# Allegro board Learn.brd (continued)
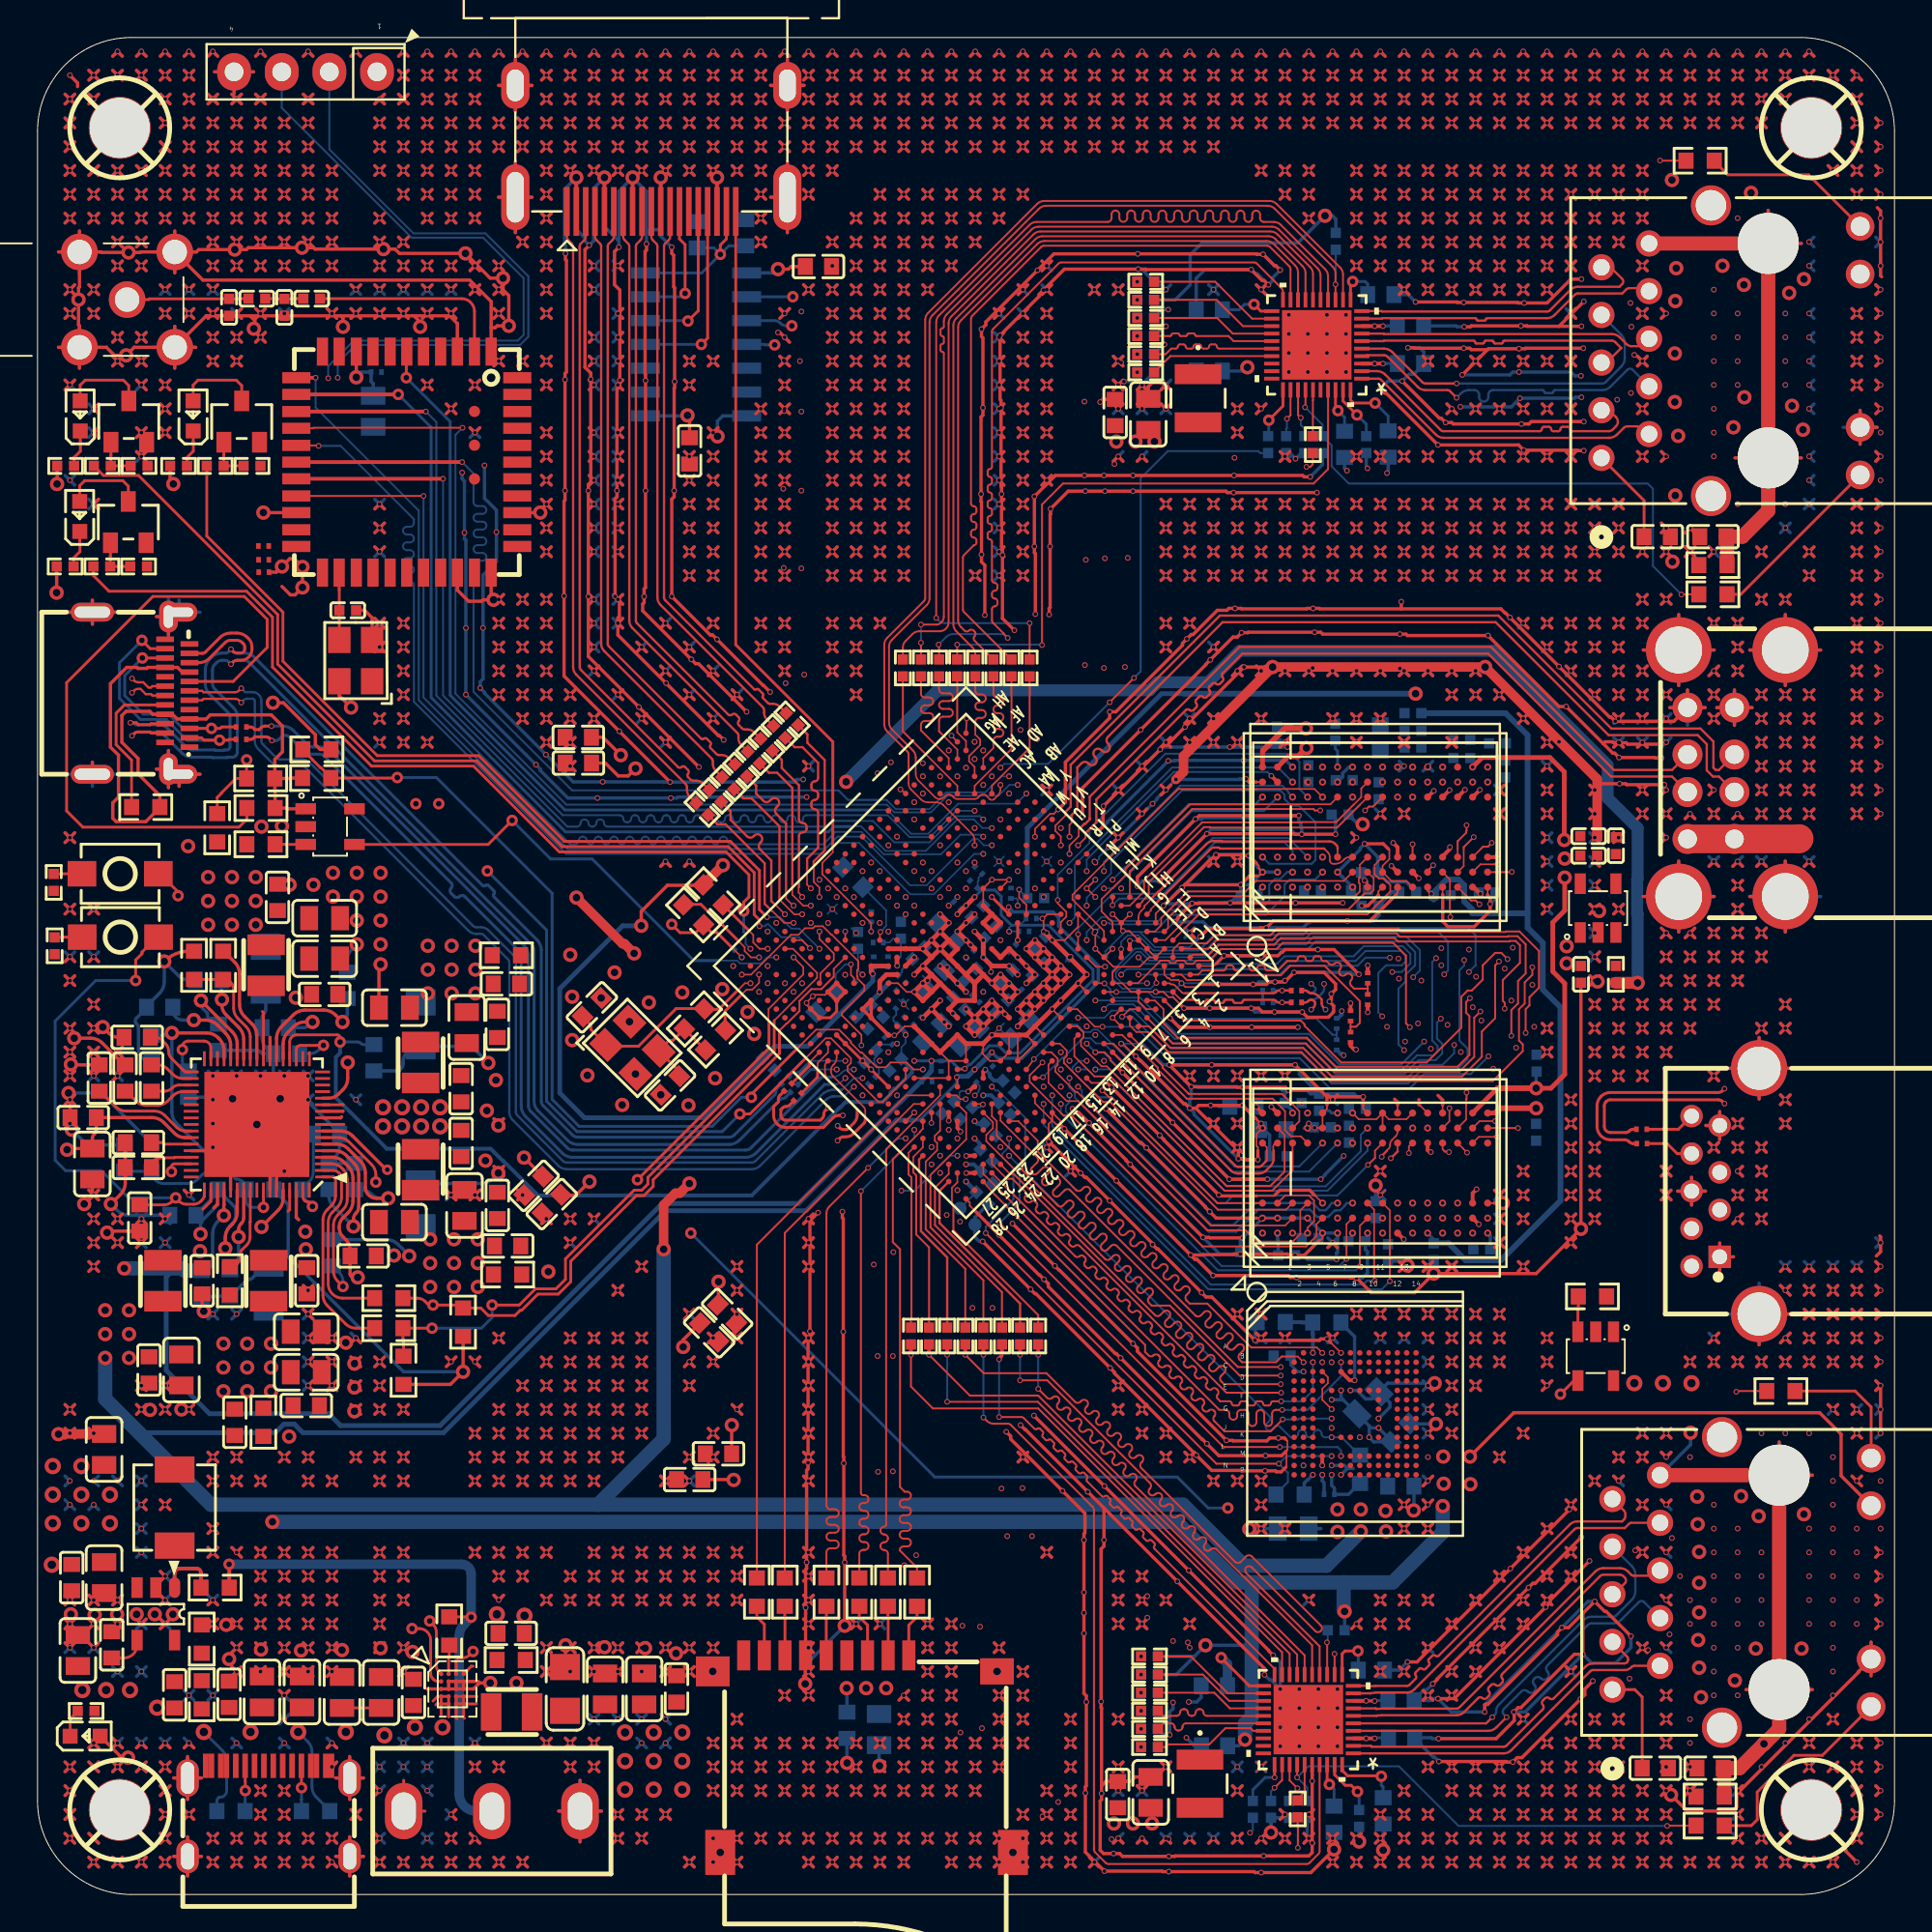
[diagram p0: board, top side]
## Routing (per net, layer and track width the routed paths; a pad name or vN(x,y) marks a point on that pad's centre or on a via; arc(x,y) is an arc through that point) (continued)
; v1(62.68,94.43) 62.43,94.69 ; v1(18.23,6.8) 18.49,6.55 ; v1(18.23,6.8) 18.49,7.06 ; v1(18.23,6.8) 17.98,7.06 ; v1(18.23,6.8) 17.98,6.55 ; 35.76,78.18 v1(36.01,77.92) ; v1(36.01,77.92) 36.27,78.18 ; v1(36.01,77.92) 36.27,77.67 ; v1(36.01,77.92) 35.76,77.67 ; v1(27.12,76.65) 27.38,76.91 ; v1(27.12,76.65) 26.87,76.4 ; v1(27.12,76.65) 27.38,76.4 ; v1(27.12,76.65) 26.87,76.91 ; v1(51.25,11.88) 51.51,12.14 ; v1(51.25,11.88) 51,11.63 ; v1(51.25,11.88) 51.51,11.63 ; v1(51.25,11.88) 51,12.14 ; v1(90.62,39.82) 90.88,39.57 ; v1(90.62,39.82) 90.37,40.08 ; v1(90.62,39.82) 90.37,39.57 ; v1(90.62,39.82) 90.88,40.08 ; 29.41,97.23 v1(29.66,96.97) ; v1(29.66,96.97) 29.92,97.23 ; v1(29.66,96.97) 29.92,96.72 ; v1(29.66,96.97) 29.41,96.72 ; 96.72,96.72 v1(96.97,96.97) ; v1(96.97,96.97) 96.72,97.23 ; v1(96.97,96.97) 97.23,96.72 ; v1(96.97,96.97) 97.23,97.23 ; 71.32,12.9 v1(71.57,13.15) ; v1(71.57,13.15) 71.83,13.41 ; v1(71.57,13.15) 71.83,12.9 ; v1(71.57,13.15) 71.32,13.41 ; 30.68,12.9 v1(30.93,13.15) ; v1(30.93,13.15) 31.19,13.41 ; v1(30.93,13.15) 31.19,12.9 ; v1(30.93,13.15) 30.68,13.41 ; 30.68,87.07 v1(30.93,86.81) ; v1(30.93,86.81) 31.19,87.07 ; v1(30.93,86.81) 30.68,86.56 ; v1(30.93,86.81) 31.19,86.56 ; v1(69.03,70.3) 69.29,70.05 ; v1(69.03,70.3) 69.29,70.56 ; v1(69.03,70.3) 68.78,70.05 ; v1(69.03,70.3) 68.78,70.56 ; v1(9.34,42.36) 9.6,42.11 ; v1(9.34,42.36) 9.09,42.11 ; v1(9.34,42.36) 9.09,42.62 ; v1(9.34,42.36) 9.6,42.62 ; v1(98.24,60.14) 98.5,59.89 ; v1(98.24,60.14) 97.99,60.4 ; v1(98.24,60.14) 97.99,59.89 ; v1(98.24,60.14) 98.5,60.4 ; 6.55,26.87 v1(6.8,27.12) ; v1(6.8,27.12) 7.06,27.38 ; v1(6.8,27.12) 6.55,27.38 ; v1(6.8,27.12) 7.06,26.87 ; 78.94,9.09 v1(79.19,9.34) ; v1(79.19,9.34) 78.94,9.6 ; v1(79.19,9.34) 79.45,9.09 ; v1(79.19,9.34) 79.45,9.6 ; 14.17,89.1 v1(14.42,89.35) ; v1(14.42,89.35) 14.68,89.1 ; v1(14.42,89.35) 14.17,89.61 ; v1(14.42,89.35) 14.68,89.61 ; v1(74.11,24.58) 74.37,24.33 ; v1(74.11,24.58) 73.86,24.33 ; v1(74.11,24.58) 73.86,24.84 ; v1(74.11,24.58) 74.37,24.84 ; 87.83,47.19 v1(88.08,47.44) ; v1(88.08,47.44) 87.83,47.7 ; v1(88.08,47.44) 88.34,47.19 ; v1(88.08,47.44) 88.34,47.7 ; 91.64,61.67 v1(91.89,61.41) ; v1(91.89,61.41) 92.15,61.67 ; v1(91.89,61.41) 91.64,61.16 ; v1(91.89,61.41) 92.15,61.16 ; v1(15.69,91.89) 15.95,91.64 ; v1(15.69,91.89) 15.44,91.64 ; v1(15.69,91.89) 15.44,92.15 ; v1(15.69,91.89) 15.95,92.15 ; v1(55.06,38.55) 55.32,38.3 ; v1(55.06,38.55) 54.81,38.81 ; v1(55.06,38.55) 54.81,38.3 ; v1(55.06,38.55) 55.32,38.81 ; v1(32.2,13.15) 32.46,13.41 ; v1(32.2,13.15) 32.46,12.9 ; v1(32.2,13.15) 31.95,12.9 ; v1(32.2,13.15) 31.95,13.41 ; v1(74.11,72.84) 74.37,72.59 ; v1(74.11,72.84) 73.86,72.59 ; v1(74.11,72.84) 73.86,73.1 ; v1(74.11,72.84) 74.37,73.1 ; v1(53.79,94.43) 54.05,94.69 ; v1(53.79,94.43) 53.54,94.69 ; v1(53.79,94.43) 53.54,94.18 ; v1(53.79,94.43) 54.05,94.18 ; v1(51.25,75.38) 51.51,75.13 ; v1(51.25,75.38) 51.51,75.64 ; v1(51.25,75.38) 51,75.64 ; v1(51.25,75.38) 51,75.13 ; v1(79.19,1.72) 79.45,1.47 ; v1(79.19,1.72) 78.94,1.98 ; v1(79.19,1.72) 78.94,1.47 ; v1(79.19,1.72) 79.45,1.98 ; v1(96.97,69.03) 97.23,69.29 ; v1(96.97,69.03) 97.23,68.78 ; v1(96.97,69.03) 96.72,69.29 ; v1(96.97,69.03) 96.72,68.78 ; 30.68,17.98 v1(30.93,18.23) ; v1(30.93,18.23) 30.68,18.49 ; v1(30.93,18.23) 31.19,17.98 ; v1(30.93,18.23) 31.19,18.49 ; 80.21,55.32 v1(80.46,55.06) ; v1(80.46,55.06) 80.21,54.81 ; v1(80.46,55.06) 80.72,55.32 ; v1(80.46,55.06) 80.72,54.81 ; 20.52,93.42 v1(20.77,93.16) ; v1(20.77,93.16) 21.03,92.91 ; v1(20.77,93.16) 21.03,93.42 ; v1(20.77,93.16) 20.52,92.91 ; v1(5.53,14.42) 5.79,14.68 ; v1(5.53,14.42) 5.79,14.17 ; v1(5.53,14.42) 5.28,14.17 ; v1(5.53,14.42) 5.28,14.68 ; v1(70.3,74.11) 70.56,74.37 ; v1(70.3,74.11) 70.05,73.86 ; v1(70.3,74.11) 70.05,74.37 ; v1(70.3,74.11) 70.56,73.86 ; 5.28,27.38 v1(5.53,27.12) ; v1(5.53,27.12) 5.79,26.87 ; v1(5.53,27.12) 5.28,26.87 ; v1(5.53,27.12) 5.79,27.38 ; v1(91.89,69.03) 92.15,68.78 ; v1(91.89,69.03) 91.64,69.29 ; v1(91.89,69.03) 91.64,68.78 ; v1(91.89,69.03) 92.15,69.29 ; v1(71.57,88.08) 71.83,87.83 ; v1(71.57,88.08) 71.32,87.83 ; v1(71.57,88.08) 71.83,88.34 ; v1(71.57,88.08) 71.32,88.34 ; 49.73,92.91 v1(49.98,93.16) ; v1(49.98,93.16) 50.24,93.42 ; v1(49.98,93.16) 50.24,92.91 ; v1(49.98,93.16) 49.73,93.42 ; 42.11,76.4 v1(42.36,76.65) ; v1(42.36,76.65) 42.62,76.4 ; v1(42.36,76.65) 42.11,76.91 ; v1(42.36,76.65) 42.62,76.91 ; 78.94,88.34 v1(79.19,88.08) ; v1(79.19,88.08) 78.94,87.83 ; v1(79.19,88.08) 79.45,87.83 ; v1(79.19,88.08) 79.45,88.34 ; 29.41,71.83 v1(29.66,71.57) ; v1(29.66,71.57) 29.41,71.32 ; v1(29.66,71.57) 29.92,71.32 ; v1(29.66,71.57) 29.92,71.83 ; v1(91.89,55.06) 92.15,54.81 ; v1(91.89,55.06) 91.64,54.81 ; v1(91.89,55.06) 91.64,55.32 ; v1(91.89,55.06) 92.15,55.32 ; v1(69.03,96.97) 69.29,97.23 ; v1(69.03,96.97) 68.78,97.23 ; v1(69.03,96.97) 68.78,96.72 ; v1(69.03,96.97) 69.29,96.72 ; J1.21 26.36,90.47 ; J1.21 24.58,90.47 ; J1.21 25.47,92.36 ; J1.21 25.47,88.58 ; v1(51.25,77.92) 51.51,77.67 ; v1(51.25,77.92) 51.51,78.18 ; v1(51.25,77.92) 51,77.67 ; v1(51.25,77.92) 51,78.18 ; U19.8 91.39,63.27 ; U19.8 90.45,62.33 ; U19.8 90.45,64.21 ; U19.8 89.51,63.27 ; 76.4,97.23 v1(76.65,96.97) ; v1(76.65,96.97) 76.91,97.23 ; v1(76.65,96.97) 76.91,96.72 ; v1(76.65,96.97) 76.4,96.72 ; 47.19,90.88 v1(47.44,90.62) ; v1(47.44,90.62) 47.19,90.37 ; v1(47.44,90.62) 47.7,90.37 ; v1(47.44,90.62) 47.7,90.88 ; v1(23.31,95.7) 23.57,95.96 ; v1(23.31,95.7) 23.06,95.45 ; v1(23.31,95.7) 23.57,95.45 ; v1(23.31,95.7) 23.06,95.96 ; v1(34.74,81.73) 35,81.99 ; v1(34.74,81.73) 34.49,81.48 ; v1(34.74,81.73) 34.49,81.99 ; v1(34.74,81.73) 35,81.48 ; 51,80.72 v1(51.25,80.46) ; v1(51.25,80.46) 51,80.21 ; v1(51.25,80.46) 51.51,80.21 ; v1(51.25,80.46) 51.51,80.72 ; v1(20.77,95.7) 21.03,95.96 ; v1(20.77,95.7) 20.52,95.96 ; v1(20.77,95.7) 20.52,95.45 ; v1(20.77,95.7) 21.03,95.45 ; v1(96.97,72.84) 97.23,73.1 ; v1(96.97,72.84) 97.23,72.59 ; v1(96.97,72.84) 96.72,72.59 ; v1(96.97,72.84) 96.72,73.1 ; 57.35,14.68 v1(57.6,14.42) ; v1(57.6,14.42) 57.86,14.68 ; v1(57.6,14.42) 57.35,14.17 ; v1(57.6,14.42) 57.86,14.17 ; 94.18,64.21 v1(94.43,63.95) ; v1(94.43,63.95) 94.69,64.21 ; v1(94.43,63.95) 94.18,63.7 ; v1(94.43,63.95) 94.69,63.7 ; 85.29,18.49 v1(85.54,18.23) ; v1(85.54,18.23) 85.8,18.49 ; v1(85.54,18.23) 85.29,17.98 ; v1(85.54,18.23) 85.8,17.98 ; v1(27.12,66.49) 27.38,66.24 ; v1(27.12,66.49) 26.87,66.24 ; v1(27.12,66.49) 27.38,66.75 ; v1(27.12,66.49) 26.87,66.75 ; v1(4.26,14.42) 4.52,14.17 ; v1(4.26,14.42) 4.01,14.17 ; v1(4.26,14.42) 4.01,14.68 ; v1(4.26,14.42) 4.52,14.68 ; 23.06,18.49 v1(23.31,18.23) ; v1(23.31,18.23) 23.57,18.49 ; v1(23.31,18.23) 23.06,17.98 ; v1(23.31,18.23) 23.57,17.98 ; v1(71.57,15.69) 71.83,15.95 ; v1(71.57,15.69) 71.32,15.44 ; v1(71.57,15.69) 71.32,15.95 ; v1(71.57,15.69) 71.83,15.44 ; v1(72.84,19.5) 73.1,19.25 ; v1(72.84,19.5) 72.59,19.76 ; v1(72.84,19.5) 73.1,19.76 ; v1(72.84,19.5) 72.59,19.25 ; 6.98,67.13 U17.C2 ; U17.C2 6.34,68.12 ; U17.C2 6.98,69.11 ; 19.25,64.21 v1(19.5,63.95) ; v1(19.5,63.95) 19.76,63.7 ; v1(19.5,63.95) 19.25,63.7 ; v1(19.5,63.95) 19.76,64.21 ; v1(9.34,93.16) 9.6,93.42 ; v1(9.34,93.16) 9.09,92.91 ; v1(9.34,93.16) 9.09,93.42 ; v1(9.34,93.16) 9.6,92.91 ; 58.62,95.96 v1(58.87,95.7) ; v1(58.87,95.7) 59.13,95.96 ; v1(58.87,95.7) 58.62,95.45 ; v1(58.87,95.7) 59.13,95.45 ; v1(94.43,30.93) 94.69,31.19 ; v1(94.43,30.93) 94.18,30.68 ; v1(94.43,30.93) 94.18,31.19 ; v1(94.43,30.93) 94.69,30.68 ; v1(81.73,38.55) 81.99,38.81 ; v1(81.73,38.55) 81.99,38.3 ; v1(81.73,38.55) 81.48,38.81 ; v1(81.73,38.55) 81.48,38.3 ; 66.24,92.15 v1(66.49,91.89) ; v1(66.49,91.89) 66.24,91.64 ; v1(66.49,91.89) 66.75,92.15 ; v1(66.49,91.89) 66.75,91.64 ; 4.01,90.88 v1(4.26,90.62) ; v1(4.26,90.62) 4.52,90.88 ; v1(4.26,90.62) 4.01,90.37 ; v1(4.26,90.62) 4.52,90.37 ; v1(27.12,28.39) 27.38,28.65 ; v1(27.12,28.39) 26.87,28.65 ; v1(27.12,28.39) 26.87,28.14 ; v1(27.12,28.39) 27.38,28.14 ; v1(76.65,72.84) 76.91,72.59 ; v1(76.65,72.84) 76.91,73.1 ; v1(76.65,72.84) 76.4,73.1 ; v1(76.65,72.84) 76.4,72.59 ; 7.82,95.96 v1(8.07,95.7) ; v1(8.07,95.7) 8.33,95.45 ; v1(8.07,95.7) 7.82,95.45 ; v1(8.07,95.7) 8.33,95.96 ; v1(9.34,83) 9.6,83.26 ; v1(9.34,83) 9.09,83.26 ; v1(9.34,83) 9.6,82.75 ; v1(9.34,83) 9.09,82.75 ; 92.91,95.96 v1(93.16,95.7) ; v1(93.16,95.7) 92.91,95.45 ; v1(93.16,95.7) 93.42,95.96 ; 17.98,17.98 v1(18.23,18.23) ; v1(18.23,18.23) 18.49,17.98 ; v1(18.23,18.23) 18.49,18.49 ; v1(18.23,18.23) 17.98,18.49 ; v1(66.49,95.7) 66.75,95.96 ; v1(66.49,95.7) 66.75,95.45 ; v1(66.49,95.7) 66.24,95.96 ; v1(66.49,95.7) 66.24,95.45 ; v1(75.38,90.62) 75.64,90.88 ; v1(75.38,90.62) 75.64,90.37 ; v1(75.38,90.62) 75.13,90.88 ; v1(75.38,90.62) 75.13,90.37 ; 96.72,31.95 v1(96.97,32.2) ; v1(96.97,32.2) 96.72,32.46 ; v1(96.97,32.2) 97.23,32.46 ; v1(96.97,32.2) 97.23,31.95 ; v1(32.2,95.7) 32.46,95.45 ; v1(32.2,95.7) 31.95,95.96 ; v1(32.2,95.7) 32.46,95.96 ; v1(32.2,95.7) 31.95,95.45 ; 76.4,7.06 v1(76.65,6.8) ; v1(76.65,6.8) 76.91,7.06 ; v1(76.65,6.8) 76.91,6.55 ; v1(76.65,6.8) 76.4,6.55 ; v1(77.92,98.24) 78.18,97.99 ; v1(77.92,98.24) 77.67,98.5 ; v1(77.92,98.24) 77.67,97.99 ; v1(77.92,98.24) 78.18,98.5 ; 33.22,13.41 v1(33.47,13.15) ; v1(33.47,13.15) 33.22,12.9 ; v1(33.47,13.15) 33.73,13.41 ; v1(33.47,13.15) 33.73,12.9 ; 81.48,71.32 v1(81.73,71.57) ; v1(81.73,71.57) 81.99,71.32 ; v1(81.73,71.57) 81.99,71.83 ; v1(81.73,71.57) 81.48,71.83 ; 97.99,34.49 v1(98.24,34.74) ; v1(98.24,34.74) 97.99,35 ; v1(98.24,34.74) 98.5,34.49 ; v1(98.24,34.74) 98.5,35 ; v1(91.89,57.6) 92.15,57.35 ; v1(91.89,57.6) 92.15,57.86 ; v1(91.89,57.6) 91.64,57.86 ; v1(91.89,57.6) 91.64,57.35 ; 1.47,52.27 v1(1.72,52.52) ; v1(1.72,52.52) 1.47,52.78 ; v1(1.72,52.52) 1.98,52.27 ; v1(1.72,52.52) 1.98,52.78 ; 35.76,29.92 v1(36.01,29.66) ; v1(36.01,29.66) 35.76,29.41 ; v1(36.01,29.66) 36.27,29.41 ; v1(36.01,29.66) 36.27,29.92 ; v1(20.77,91.89) 21.03,91.64 ; v1(20.77,91.89) 20.52,91.64 ; v1(20.77,91.89) 20.52,92.15 ; v1(20.77,91.89) 21.03,92.15 ; v1(84.27,94.43) 84.53,94.69 ; v1(84.27,94.43) 84.53,94.18 ; v1(84.27,94.43) 84.02,94.18 ; v1(84.27,94.43) 84.02,94.69 ; v1(63.95,55.06) 64.21,54.81 ; v1(63.95,55.06) 63.7,55.32 ; v1(63.95,55.06) 64.21,55.32 ; v1(63.95,55.06) 63.7,54.81 ; 61.16,93.42 v1(61.41,93.16) ; v1(61.41,93.16) 61.67,93.42 ; v1(61.41,93.16) 61.67,92.91 ; v1(61.41,93.16) 61.16,92.91 ; 6.55,8.33 v1(6.8,8.07) ; v1(6.8,8.07) 7.06,7.82 ; v1(6.8,8.07) 6.55,7.82 ; v1(6.8,8.07) 7.06,8.33 ; 10.36,90.88 v1(10.61,90.62) ; v1(10.61,90.62) 10.36,90.37 ; v1(10.61,90.62) 10.87,90.88 ; v1(10.61,90.62) 10.87,90.37 ; v1(52.52,90.62) 52.78,90.37 ; v1(52.52,90.62) 52.27,90.37 ; v1(52.52,90.62) 52.78,90.88 ; v1(52.52,90.62) 52.27,90.88 ; v1(4.26,96.97) 4.52,97.23 ; v1(4.26,96.97) 4.01,96.72 ; v1(4.26,96.97) 4.01,97.23 ; v1(4.26,96.97) 4.52,96.72 ; v1(94.43,71.57) 94.69,71.32 ; v1(94.43,71.57) 94.69,71.83 ; v1(94.43,71.57) 94.18,71.83 ; v1(94.43,71.57) 94.18,71.32 ; v1(83,72.84) 83.26,73.1 ; v1(83,72.84) 83.26,72.59 ; v1(83,72.84) 82.75,73.1 ; v1(83,72.84) 82.75,72.59 ; 78.94,81.48 v1(79.19,81.73) ; v1(79.19,81.73) 78.94,81.99 ; v1(79.19,81.73) 79.45,81.48 ; v1(79.19,81.73) 79.45,81.99 ; v1(10.61,94.43) 10.87,94.69 ; v1(10.61,94.43) 10.87,94.18 ; v1(10.61,94.43) 10.36,94.69 ; v1(10.61,94.43) 10.36,94.18 ; 62.43,96.72 v1(62.68,96.97) ; v1(62.68,96.97) 62.94,96.72 ; v1(62.68,96.97) 62.94,97.23 ; v1(62.68,96.97) 62.43,97.23 ; v1(67.76,70.3) 68.02,70.05 ; v1(67.76,70.3) 68.02,70.56 ; v1(67.76,70.3) 67.51,70.05 ; v1(67.76,70.3) 67.51,70.56 ; 97.99,90.37 v1(98.24,90.62) ; v1(98.24,90.62) 98.5,90.88 ; v1(98.24,90.62) 98.5,90.37 ; v1(98.24,90.62) 97.99,90.88 ; 4.01,1.47 v1(4.26,1.72) ; v1(4.26,1.72) 4.01,1.98 ; v1(4.26,1.72) 4.52,1.47 ; v1(4.26,1.72) 4.52,1.98 ; v1(34.74,27.12) 35,26.87 ; v1(34.74,27.12) 35,27.38 ; v1(34.74,27.12) 34.49,27.38 ; v1(34.74,27.12) 34.49,26.87 ; 59.89,24.33 v1(60.14,24.58) ; v1(60.14,24.58) 60.4,24.84 ; v1(60.14,24.58) 60.4,24.33 ; v1(60.14,24.58) 59.89,24.84 ; v1(43.63,86.81) 43.89,87.07 ; v1(43.63,86.81) 43.38,86.56 ; v1(43.63,86.81) 43.38,87.07 ; v1(43.63,86.81) 43.89,86.56 ; 89.1,55.32 v1(89.35,55.06) ; v1(89.35,55.06) 89.61,55.32 ; v1(89.35,55.06) 89.1,54.81 ; v1(89.35,55.06) 89.61,54.81 ; v1(90.62,2.99) 90.88,2.74 ; v1(90.62,2.99) 90.37,2.74 ; v1(90.62,2.99) 90.88,3.25 ; v1(90.62,2.99) 90.37,3.25 ; v1(34.74,75.38) 35,75.13 ; v1(34.74,75.38) 35,75.64 ; v1(34.74,75.38) 34.49,75.64 ; v1(34.74,75.38) 34.49,75.13 ; v1(98.24,8.07) 98.5,8.33 ; v1(98.24,8.07) 97.99,8.33 ; v1(98.24,8.07) 97.99,7.82 ; v1(98.24,8.07) 98.5,7.82 ; 84.02,6.55 v1(84.27,6.8) ; v1(84.27,6.8) 84.53,6.55 ; v1(84.27,6.8) 84.02,7.06 ; v1(84.27,6.8) 84.53,7.06 ; 84.02,90.37 v1(84.27,90.62) ; v1(84.27,90.62) 84.02,90.88 ; v1(84.27,90.62) 84.53,90.37 ; v1(84.27,90.62) 84.53,90.88 ; v1(75.38,5.53) 75.64,5.28 ; v1(75.38,5.53) 75.13,5.79 ; v1(75.38,5.53) 75.64,5.79 ; v1(75.38,5.53) 75.13,5.28 ; v1(96.97,83) 97.23,83.26 ; v1(96.97,83) 97.23,82.75 ; v1(96.97,83) 96.72,82.75 ; v1(96.97,83) 96.72,83.26 ; v1(1.72,85.54) 1.98,85.8 ; v1(1.72,85.54) 1.98,85.29 ; v1(1.72,85.54) 1.47,85.29 ; v1(1.72,85.54) 1.47,85.8 ; 67.51,94.69 v1(67.76,94.43) ; v1(67.76,94.43) 68.02,94.18 ; v1(67.76,94.43) 67.51,94.18 ; v1(67.76,94.43) 68.02,94.69 ; v1(96.97,60.14) 97.23,60.4 ; v1(96.97,60.14) 96.72,59.89 ; v1(96.97,60.14) 97.23,59.89 ; v1(96.97,60.14) 96.72,60.4 ; v1(37.28,98.24) 37.54,98.5 ; v1(37.28,98.24) 37.03,97.99 ; v1(37.28,98.24) 37.03,98.5 ; v1(37.28,98.24) 37.54,97.99 ; v1(89.35,96.97) 89.61,96.72 ; v1(89.35,96.97) 89.1,96.72 ; v1(89.35,96.97) 89.61,97.23 ; v1(89.35,96.97) 89.1,97.23 ; 86.56,68.78 v1(86.81,69.03) ; v1(86.81,69.03) 87.07,68.78 ; v1(86.81,69.03) 86.56,69.29 ; v1(86.81,69.03) 87.07,69.29 ; 38.3,75.13 v1(38.55,75.38) ; v1(38.55,75.38) 38.81,75.13 ; v1(38.55,75.38) 38.81,75.64 ; v1(38.55,75.38) 38.3,75.64 ; 29.41,7.06 v1(29.66,6.8) ; v1(29.66,6.8) 29.92,6.55 ; v1(29.66,6.8) 29.41,6.55 ; v1(29.66,6.8) 29.92,7.06 ; v1(66.49,2.99) 66.75,2.74 ; v1(66.49,2.99) 66.24,2.74 ; v1(66.49,2.99) 66.24,3.25 ; v1(66.49,2.99) 66.75,3.25 ; v1(19.5,13.15) 19.76,12.9 ; v1(19.5,13.15) 19.76,13.41 ; v1(19.5,13.15) 19.25,12.9 ; v1(19.5,13.15) 19.25,13.41 ; 81.48,95.96 v1(81.73,95.7) ; v1(81.73,95.7) 81.99,95.96 ; v1(81.73,95.7) 81.48,95.45 ; v1(81.73,95.7) 81.99,95.45 ; v1(89.35,57.6) 89.61,57.86 ; v1(89.35,57.6) 89.61,57.35 ; v1(89.35,57.6) 89.1,57.86 ; v1(89.35,57.6) 89.1,57.35 ; 44.65,6.55 v1(44.9,6.8) ; v1(44.9,6.8) 45.16,6.55 ; v1(44.9,6.8) 44.65,7.06 ; v1(44.9,6.8) 45.16,7.06 ; 28.14,16.71 v1(28.39,16.96) ; v1(28.39,16.96) 28.14,17.22 ; v1(28.39,16.96) 28.65,16.71 ; v1(28.39,16.96) 28.65,17.22 ; v1(62.68,66.49) 62.94,66.24 ; v1(62.68,66.49) 62.43,66.24 ; v1(62.68,66.49) 62.43,66.75 ; v1(62.68,66.49) 62.94,66.75 ; 12.9,94.69 v1(13.15,94.43) ; v1(13.15,94.43) 13.41,94.18 ; v1(13.15,94.43) 12.9,94.18 ; v1(13.15,94.43) 13.41,94.69 ; 97.99,76.4 v1(98.24,76.65) ; v1(98.24,76.65) 98.5,76.4 ; v1(98.24,76.65) 97.99,76.91 ; v1(98.24,76.65) 98.5,76.91 ; 77.67,87.07 v1(77.92,86.81) ; v1(77.92,86.81) 78.18,86.56 ; v1(77.92,86.81) 77.67,86.56 ; v1(77.92,86.81) 78.18,87.07 ; v1(46.17,6.8) 46.43,7.06 ; v1(46.17,6.8) 45.92,6.55 ; v1(46.17,6.8) 46.43,6.55 ; v1(46.17,6.8) 45.92,7.06 ; v1(85.54,2.99) 85.8,3.25 ; v1(85.54,2.99) 85.8,2.74 ; v1(85.54,2.99) 85.29,2.74 ; v1(85.54,2.99) 85.29,3.25 ; 15.44,84.53 v1(15.69,84.27) ; v1(15.69,84.27) 15.44,84.02 ; v1(15.69,84.27) 15.95,84.02 ; v1(15.69,84.27) 15.95,84.53 ; 30.68,83.26 v1(30.93,83) ; v1(30.93,83) 31.19,82.75 ; v1(30.93,83) 31.19,83.26 ; v1(30.93,83) 30.68,82.75 ; v1(46.17,70.3) 46.43,70.56 ; v1(46.17,70.3) 45.92,70.56 ; v1(46.17,70.3) 46.43,70.05 ; v1(46.17,70.3) 45.92,70.05 ; v1(27.12,18.23) 27.38,17.98 ; v1(27.12,18.23) 27.38,18.49 ; v1(27.12,18.23) 26.87,17.98 ; v1(27.12,18.23) 26.87,18.49 ; 26.87,64.21 v1(27.12,63.95) ; v1(27.12,63.95) 26.87,63.7 ; v1(27.12,63.95) 27.38,63.7 ; v1(27.12,63.95) 27.38,64.21 ; v1(11.88,90.62) 12.14,90.37 ; v1(11.88,90.62) 12.14,90.88 ; v1(11.88,90.62) 11.63,90.88 ; v1(11.88,90.62) 11.63,90.37 ; v1(9.34,10.61) 9.6,10.87 ; v1(9.34,10.61) 9.6,10.36 ; v1(9.34,10.61) 9.09,10.36 ; v1(9.34,10.61) 9.09,10.87 ; 76.4,29.92 v1(76.65,29.66) ; v1(76.65,29.66) 76.91,29.92 ; v1(76.65,29.66) 76.91,29.41 ; v1(76.65,29.66) 76.4,29.41 ; 35.76,11.63 v1(36.01,11.88) ; v1(36.01,11.88) 35.76,12.14 ; v1(36.01,11.88) 36.27,12.14 ; v1(36.01,11.88) 36.27,11.63 ; 10.36,31.19 v1(10.61,30.93) ; v1(10.61,30.93) 10.87,31.19 ; v1(10.61,30.93) 10.36,30.68 ; v1(10.61,30.93) 10.87,30.68 ; v1(77.92,23.31) 78.18,23.06 ; v1(77.92,23.31) 77.67,23.57 ; v1(77.92,23.31) 77.67,23.06 ; v1(77.92,23.31) 78.18,23.57 ; v1(14.42,14.42) 14.68,14.17 ; v1(14.42,14.42) 14.17,14.17 ; v1(14.42,14.42) 14.17,14.68 ; v1(14.42,14.42) 14.68,14.68 ; 67.51,73.86 v1(67.76,74.11) ; v1(67.76,74.11) 67.51,74.37 ; v1(67.76,74.11) 68.02,74.37 ; v1(67.76,74.11) 68.02,73.86 ; 1.47,41.35 v1(1.72,41.09) ; v1(1.72,41.09) 1.98,40.84 ; v1(1.72,41.09) 1.98,41.35 ; v1(1.72,41.09) 1.47,40.84 ; 27.78,4.45 SW1.3 ; SW1.3 28.92,6.09 ; SW1.3 28.92,2.8 ; SW1.3 30.06,4.45 ; 78.94,5.79 v1(79.19,5.53) ; v1(79.19,5.53) 79.45,5.79 ; v1(79.19,5.53) 78.94,5.28 ; v1(79.19,5.53) 79.45,5.28 ; 76.4,94.18 v1(76.65,94.43) ; v1(76.65,94.43) 76.91,94.18 ; v1(76.65,94.43) 76.4,94.69 ; v1(76.65,94.43) 76.91,94.69 ; 38.3,76.4 v1(38.55,76.65) ; v1(38.55,76.65) 38.3,76.91 ; v1(38.55,76.65) 38.81,76.4 ; v1(38.55,76.65) 38.81,76.91 ; 63.7,97.99 v1(63.95,98.24) ; v1(63.95,98.24) 64.21,97.99 ; v1(63.95,98.24) 64.21,98.5 ; v1(63.95,98.24) 63.7,98.5 ; v1(65.22,20.77) 65.48,20.52 ; v1(65.22,20.77) 65.48,21.03 ; v1(65.22,20.77) 64.97,21.03 ; v1(65.22,20.77) 64.97,20.52 ; v1(74.11,98.24) 74.37,97.99 ; v1(74.11,98.24) 73.86,98.5 ; v1(74.11,98.24) 74.37,98.5 ; v1(74.11,98.24) 73.86,97.99 ; 9.09,31.19 v1(9.34,30.93) ; v1(9.34,30.93) 9.6,30.68 ; v1(9.34,30.93) 9.09,30.68 ; v1(9.34,30.93) 9.6,31.19 ; 15.44,13.41 v1(15.69,13.15) ; v1(15.69,13.15) 15.44,12.9 ; v1(15.69,13.15) 15.95,13.41 ; v1(15.69,13.15) 15.95,12.9 ; v1(71.57,89.35) 71.83,89.1 ; v1(71.57,89.35) 71.32,89.1 ; v1(71.57,89.35) 71.32,89.61 ; v1(71.57,89.35) 71.83,89.61 ; 6.2,82.47 U22.2 ; U22.2 7.32,81.36 ; U22.2 8.43,82.47 ; U22.2 7.32,83.59 ; v1(80.46,70.3) 80.72,70.56 ; v1(80.46,70.3) 80.72,70.05 ; v1(80.46,70.3) 80.21,70.56 ; v1(80.46,70.3) 80.21,70.05 ; v1(43.63,85.54) 43.89,85.29 ; v1(43.63,85.54) 43.38,85.29 ; v1(43.63,85.54) 43.89,85.8 ; v1(43.63,85.54) 43.38,85.8 ; 15.44,87.83 v1(15.69,88.08) ; v1(15.69,88.08) 15.95,88.34 ; v1(15.69,88.08) 15.44,88.34 ; v1(15.69,88.08) 15.95,87.83 ; v1(74.11,29.66) 74.37,29.92 ; v1(74.11,29.66) 73.86,29.41 ; v1(74.11,29.66) 73.86,29.92 ; v1(74.11,29.66) 74.37,29.41 ; 53.54,58.62 v1(53.79,58.87) ; v1(53.79,58.87) 54.05,58.62 ; v1(53.79,58.87) 54.05,59.13 ; v1(53.79,58.87) 53.54,59.13 ; v1(2.99,85.54) 3.25,85.8 ; v1(2.99,85.54) 2.74,85.29 ; v1(2.99,85.54) 2.74,85.8 ; v1(2.99,85.54) 3.25,85.29 ; 17.98,13.41 v1(18.23,13.15) ; v1(18.23,13.15) 17.98,12.9 ; v1(18.23,13.15) 18.49,12.9 ; v1(18.23,13.15) 18.49,13.41 ; 72.59,29.41 v1(72.84,29.66) ; v1(72.84,29.66) 72.59,29.92 ; v1(72.84,29.66) 73.1,29.41 ; v1(72.84,29.66) 73.1,29.92 ; 49.73,98.5 v1(49.98,98.24) ; v1(49.98,98.24) 49.73,97.99 ; v1(49.98,98.24) 50.24,97.99 ; v1(49.98,98.24) 50.24,98.5 ; 67.51,3.25 v1(67.76,2.99) ; v1(67.76,2.99) 68.02,2.74 ; v1(67.76,2.99) 67.51,2.74 ; v1(67.76,2.99) 68.02,3.25 ; 44.65,76.4 v1(44.9,76.65) ; v1(44.9,76.65) 44.65,76.91 ; v1(44.9,76.65) 45.16,76.4 ; v1(44.9,76.65) 45.16,76.91 ; 35.76,24.33 v1(36.01,24.58) ; v1(36.01,24.58) 36.27,24.84 ; v1(36.01,24.58) 35.76,24.84 ; v1(36.01,24.58) 36.27,24.33 ; v1(75.38,86.81) 75.64,87.07 ; v1(75.38,86.81) 75.13,87.07 ; v1(75.38,86.81) 75.64,86.56 ; v1(75.38,86.81) 75.13,86.56 ; v1(38.55,94.43) 38.81,94.69 ; v1(38.55,94.43) 38.3,94.18 ; v1(38.55,94.43) 38.81,94.18 ; v1(38.55,94.43) 38.3,94.69 ; v1(72.84,5.53) 73.1,5.28 ; v1(72.84,5.53) 73.1,5.79 ; v1(72.84,5.53) 72.59,5.28 ; v1(72.84,5.53) 72.59,5.79 ; v1(39.82,65.22) 40.08,65.48 ; v1(39.82,65.22) 39.57,64.97 ; v1(39.82,65.22) 39.57,65.48 ; v1(39.82,65.22) 40.08,64.97 ; 48.46,1.98 v1(48.71,1.72) ; v1(48.71,1.72) 48.97,1.47 ; v1(48.71,1.72) 48.97,1.98 ; v1(48.71,1.72) 48.46,1.47 